# Altium PCB PMR_for_R124_v2.PcbDoc (part 1 of 3) (continued)
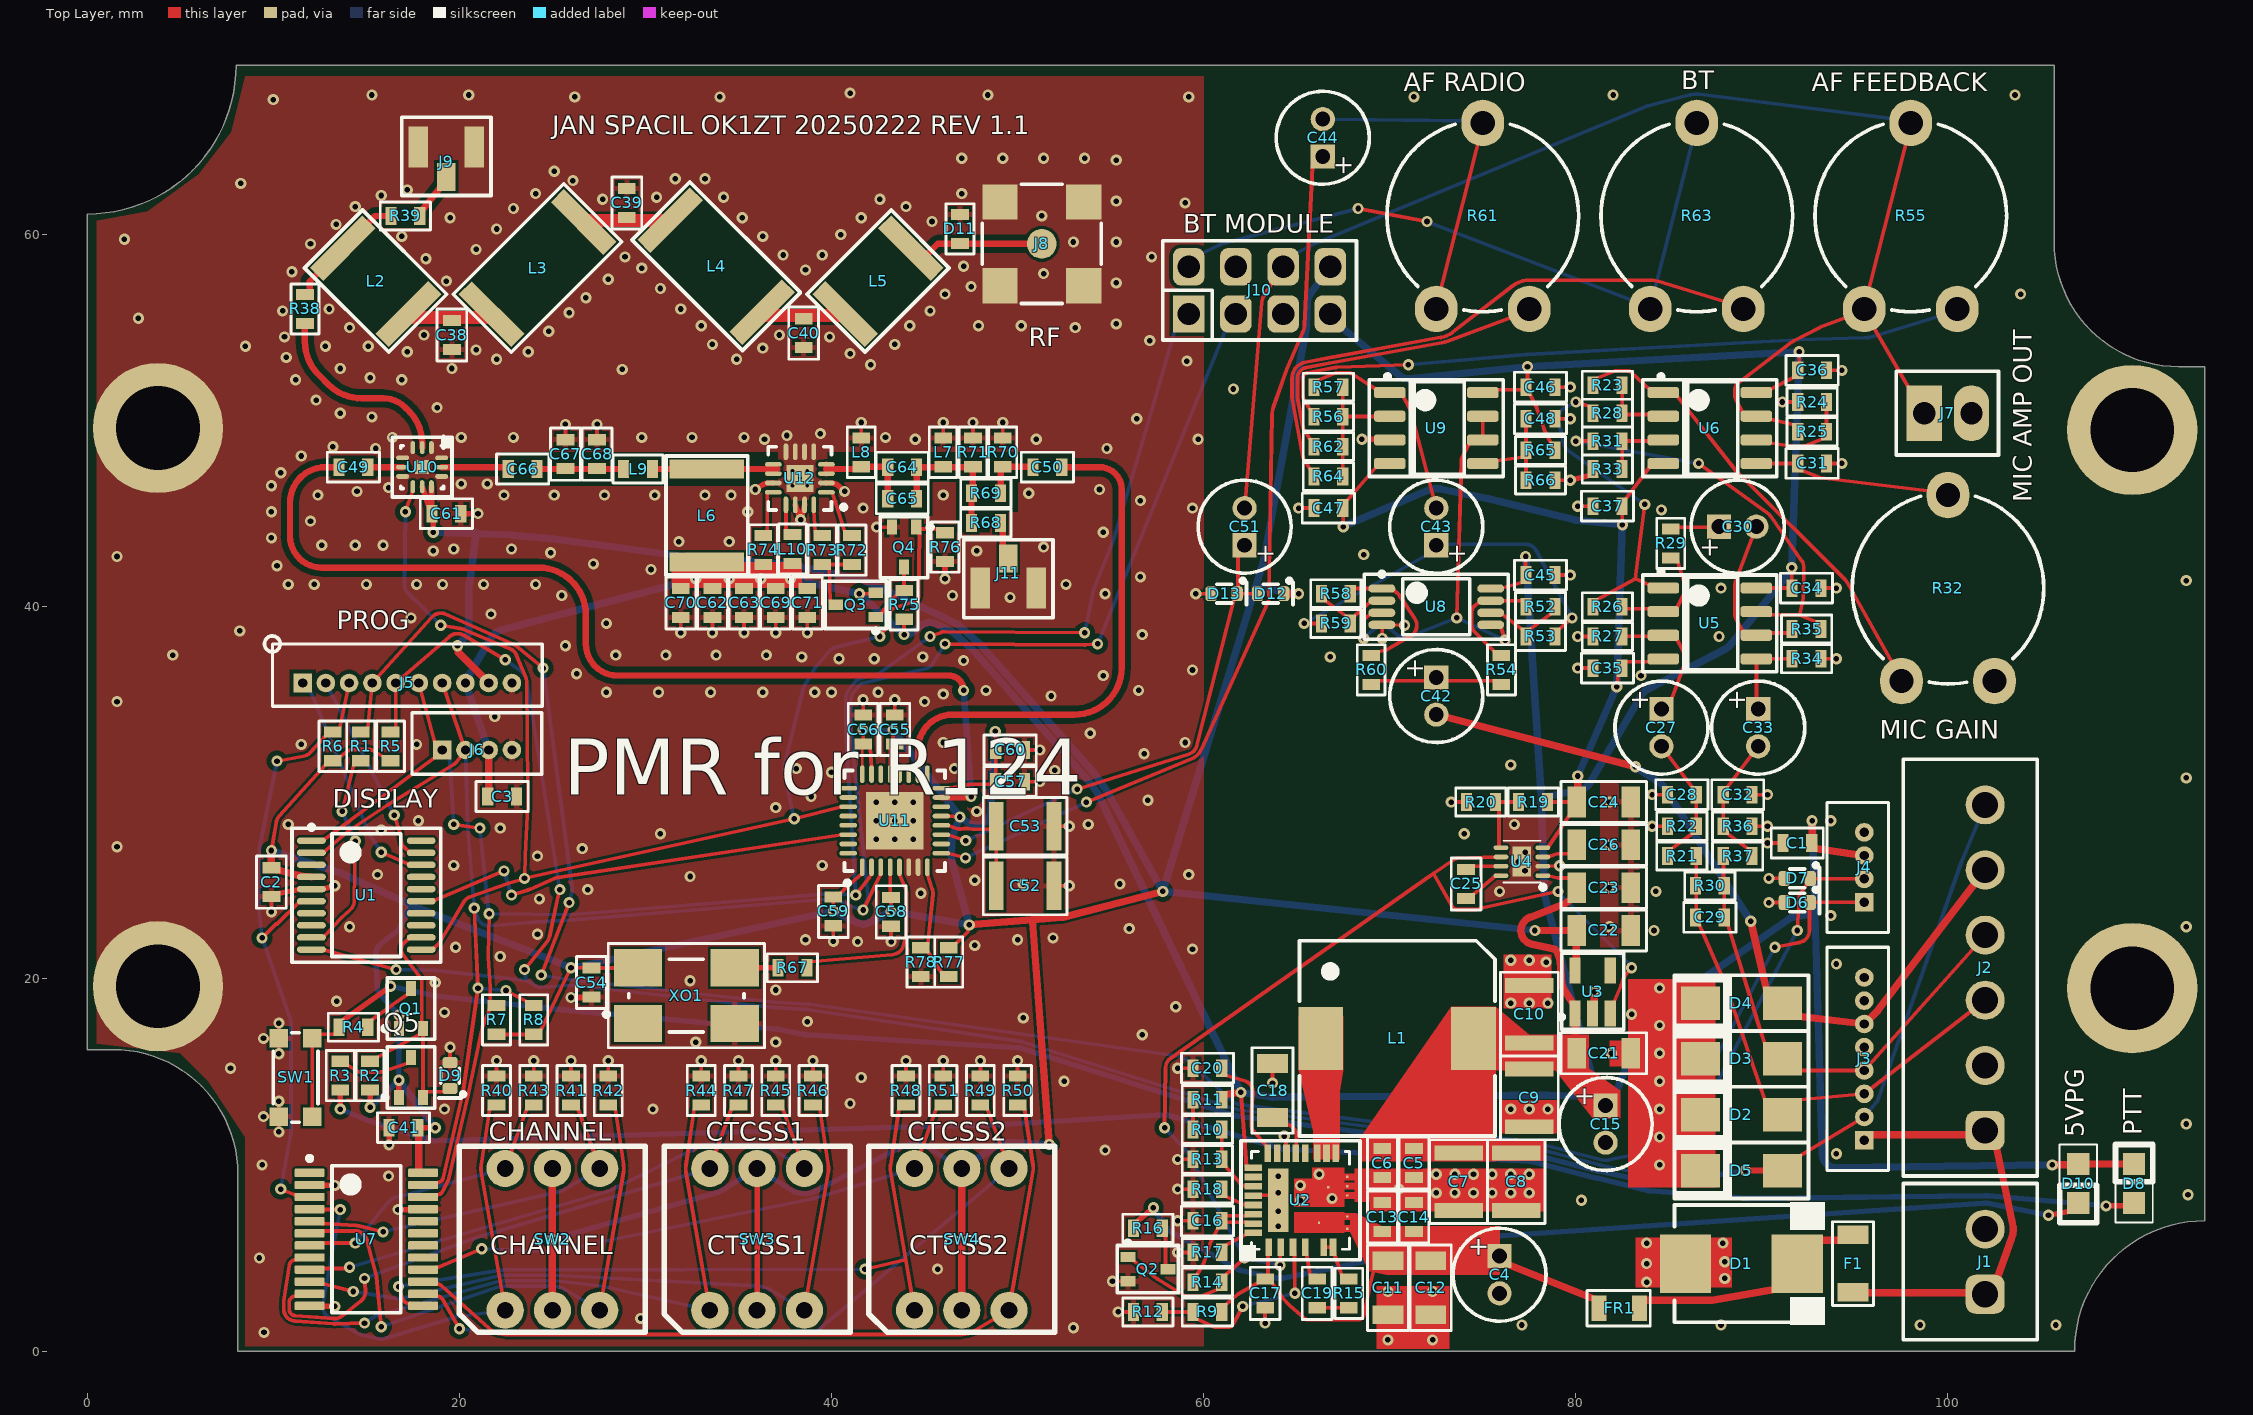
[diagram p0: Top Layer view]
## Part data (continued)
C38 C40: library part 06032U9R1BAT2A, "Cap SMD U\" Series Low ESR 0603 200V C0G (NP0) 9.1pF ±0.1pF for Comm/RF/µWave Apps Ni/Sn Plated 7\"T/R\"", Capacitance=9p1, Manufacturer="Kyocera AVX", Supplier Part Number 1=581-06032U9R1BAT2A, Category="Ceramic Capacitors", ComponentLink1Description=https://datasheet.ciiva.com/207/useries-207450.pdf?src-supplier=Digikey, ComponentLink1URL=https://datasheet.ciiva.com/207/useries-207450.pdf?src-supplier=Digikey, Manufacturer Part Number=06032U9R1BAT2A, Pricing 1="1=0.3, 10=0.201, 50=0.201, 100=0.114, 1000=0.074, 10000=0.058 (USD)", RoHS=Yes, Stock 1=4736, Supplier 1=Mouser
C39 C64 C65: library part 06032U100FAT2A, "Cap Ceramic 10pF 200V C0G 1% Pad SMD 0603 125°C Ultra Low ESR T/R", Capacitance=10p, Manufacturer="Kyocera AVX", Supplier Part Number 1=581-06032U100FAT2A, Category="Ceramic Capacitors", ComponentLink1Description=https://datasheet.ciiva.com/219/useries-219573.pdf?src-supplier=Digi-Key, ComponentLink1URL=https://datasheet.ciiva.com/219/useries-219573.pdf?src-supplier=Digi-Key, ComponentLink2Description=https://datasheet.ciiva.com/16209/useries-16209209.pdf?src-supplier=Future+Electronics, ComponentLink2URL=https://datasheet.ciiva.com/16209/useries-16209209.pdf?src-supplier=Future+Electronics, Manufacturer Part Number=06032U100FAT2A, Pricing 1="1=0.33, 10=0.227, 50=0.227, 100=0.137, 1000=0.087, 10000=0.07 (USD)", RoHS=Yes, Stock 1=12241, Supplier 1=Mouser, Supplier 2="Arrow Electronics", Supplier 3=Newark, Supplier Part Number 2=06032U100FAT2A, Supplier Part Number 3=96Y8278
C49 C50 C66: library part 885342006003, "CAP CER 100PF 250V C0G/NP0 0603", Capacitance=100p, Manufacturer="Wurth Electronics Inc.", Operating Temperature="-55°C ~ 125°C", Package / Case="0603 (1608 Metric)", Ratings=-, Supplier Part Number 1=732-12167-1-ND, Temperature Coefficient="C0G, NP0", Tolerance=±5%, Voltage - Rated=250V, Applications="General Purpose", Category=Capacitors, ComponentLink1Description=https://katalog.we-online.de/pbs/datasheet/885342006003.pdf, ComponentLink1URL=https://katalog.we-online.de/pbs/datasheet/885342006003.pdf, Failure Rate=-, Features=-, Height - Seated (Max)=-, Lead Spacing=-, Lead Style=-, Manufacturer Part Number=885342006003, Mounting Type="Surface Mount, MLCC", Notification="Current market demand for these product types have resulted in fluctuating and extending lead times. Lead times may differ.", Packaging="Cut Tape (CT)", Part Status=Active, Pricing 1="1=0.1, 10=0.043, 100=0.0385, 500=0.03406 (USD)", RoHS="RoHS Compliant", Size / Dimension="0.063\" L x 0.031\" W (1.60mm x 0.80mm)", Stock 1=43, Supplier 1=Digi-Key, Supplier 2=Farnell, Supplier 3=Mouser, Supplier Part Number 2=2812519, Supplier Part Number 3=710-885342006003, Thickness (Max)="0.034\" (0.87mm)"
C67: library part C0603C470J5GACAUTO, "CAP CER 47PF 50V C0G/NP0 0603", Capacitance=47p, Manufacturer=KEMET, Operating Temperature="-55°C ~ 125°C", Package / Case="0603 (1608 Metric)", Ratings=AEC-Q200, Supplier Part Number 1=80-C0603C470J5G, Temperature Coefficient="C0G, NP0", Tolerance=±5%, Voltage - Rated=50V, Applications=Automotive, Category=Capacitors, ComponentLink1Description=https://search.kemet.com/component-edge/download/datasheet/C0603C470J5GACAUTO.pdf, ComponentLink1URL=https://search.kemet.com/component-edge/download/datasheet/C0603C470J5GACAUTO.pdf, Failure Rate=-, Features=-, Height - Seated (Max)=-, Lead Spacing=-, Lead Style=-, Manufacturer Part Number=C0603C470J5GACAUTO, Mounting Type="Surface Mount, MLCC", Packaging="Cut Tape (CT)", Part Status=Active, Pricing 1="1=0.12, 10=0.088, 100=0.0391, 500=0.02792, 1000=0.02193 (USD)", RoHS="RoHS Compliant", Size / Dimension="0.063\" L x 0.032\" W (1.60mm x 0.80mm)", Stock 1=21519, Supplier 1=Mouser, Supplier 2=Farnell, Supplier 3=Digi-Key, Supplier 4=TME, Supplier Part Number 2=1414639, Supplier Part Number 3=399-6890-1-ND, Supplier Part Number 4=C0603C470J5GAC, Thickness (Max)="0.034\" (0.87mm)"
C68: library part 06031U120FAT2A, "Cap Ceramic 12pF 100V C0G 1% SMD 0603 125°C T/R", Capacitance=12p, Case Code (Imperial)=0603, Case Code (Metric)=1608, Dielectric=C0G, Manufacturer="Kyocera AVX", Max Operating Temperature=125°C, Min Operating Temperature=-55°C, Package Quantity=4000, Supplier Part Number 1=581-06031U120FAT2A, Tolerance=1%, Voltage Rating=100V, Case/Package=0603, Category="Ceramic Capacitors", ComponentLink1Description=https://datasheet.ciiva.com/208/useries-208490.pdf?src-supplier=Digi-Key, ComponentLink1URL=https://datasheet.ciiva.com/208/useries-208490.pdf?src-supplier=Digi-Key, Construction=Flat, Depth=0.76mm, Length=1.6mm, Manufacturer Part Number=06031U120FAT2A, Mounting Technology="Surface Mount", Packaging="Tape and Reel", Pricing 1="1=0.33, 10=0.227, 50=0.227, 100=0.137, 1000=0.087, 10000=0.07 (USD)", Radiation Hardening=No, RoHS=Yes, RoHS Compliant=Yes, Series=U, Stock 1=6418, Supplier 1=Mouser, Termination=SMD/SMT, Voltage Rating (DC)=100V, Width=0.81mm
D1: "J Series 53.3 V 3000 W Surface Mount Uni-Directional TVS Diode - DO-214AB", Manufacturer=Littelfuse, Reverse Standoff Voltage=48V, Supplier Part Number 1=576-SMDJ48A, Category="TVS Diodes", ComponentLink1Description=https://datasheet.ciiva.com/16487/littelfuse-tvs-diodes-smdj-16487926.pdf?src-supplier=Future+Electronics, ComponentLink1URL=https://datasheet.ciiva.com/16487/littelfuse-tvs-diodes-smdj-16487926.pdf?src-supplier=Future+Electronics, ComponentLink2Description=https://datasheet.ciiva.com/332/littelfuse-tvs-diode-smdj-datasheet-pdf-332813.pdf?src-supplier=Digi-Key, ComponentLink2URL=https://datasheet.ciiva.com/332/littelfuse-tvs-diode-smdj-datasheet-pdf-332813.pdf?src-supplier=Digi-Key, ComponentLink3Description=https://datasheet.ciiva.com/332/littelfuse-tvs-diode-smdj-datasheet-pdf-332814.pdf?src-supplier=Digi-Key, ComponentLink3URL=https://datasheet.ciiva.com/332/littelfuse-tvs-diode-smdj-datasheet-pdf-332814.pdf?src-supplier=Digi-Key, ComponentLink4Description=https://datasheet.ciiva.com/332/littelfuse-tvs-diode-smdj-datasheet-pdf-332815.pdf?src-supplier=Digi-Key, ComponentLink4URL=https://datasheet.ciiva.com/332/littelfuse-tvs-diode-smdj-datasheet-pdf-332815.pdf?src-supplier=Digi-Key, Manufacturer Part Number=SMDJ48A, Pricing 1="1=1.02, 10=0.889, 50=0.889, 100=0.688, 1000=0.471, 10000=0.408 (USD)", RoHS=Yes, Stock 1=11613, Supplier 1=Mouser, Supplier 2=Farnell, Supplier 3=Digi-Key, Supplier Part Number 2=2762843, Supplier Part Number 3=SMDJ48ACT-ND
D2 D3 D4 D5: "ESD Suppressors / TVS Diodes 600W 5V 5% Bi-Directional", Manufacturer=Littelfuse, Reverse Standoff Voltage=5V, Supplier Part Number 1=576-SMA6J5.0CA, Category="TVS Diodes", ComponentLink1Description=http://www.farnell.com/datasheets/2736094.pdf?src-supplier=Farnell, ComponentLink1URL=http://www.farnell.com/datasheets/2736094.pdf?src-supplier=Farnell, ComponentLink2Description=https://datasheet.octopart.com/SMA6J5.0CA-Littelfuse-datasheet-114785799.pdf?src-supplier=Future+Electronics, ComponentLink2URL=https://datasheet.octopart.com/SMA6J5.0CA-Littelfuse-datasheet-114785799.pdf?src-supplier=Future+Electronics, ComponentLink3Description=https://www.littelfuse.com/~/media/electronics/datasheets/tvs_diodes/littelfuse_tvs_diode_sma6j_datasheet.pdf.pdf?src-supplier=Digi-Key, ComponentLink3URL=https://www.littelfuse.com/~/media/electronics/datasheets/tvs_diodes/littelfuse_tvs_diode_sma6j_datasheet.pdf.pdf?src-supplier=Digi-Key, ComponentLink4Description=http://www.farnell.com/datasheets/2736094.pdf?src-supplier=Newark, ComponentLink4URL=http://www.farnell.com/datasheets/2736094.pdf?src-supplier=Newark, ComponentLink5Description=http://www.farnell.com/datasheets/2736094.pdf?src-supplier=Element14, ComponentLink5URL=http://www.farnell.com/datasheets/2736094.pdf?src-supplier=Element14, Manufacturer Part Number=SMA6J5.0CA, Pricing 1="1=0.41, 10=0.35, 50=0.35, 100=0.243, 1000=0.139, 10000=0.115 (USD)", RoHS=Yes, Stock 1=57321, Supplier 1=Mouser, Supplier 2=Farnell, Supplier 3=Digi-Key, Supplier Part Number 2=3010381, Supplier Part Number 3=18-SMA6J5.0CACT-ND
D6 D7 D9 D12 D13: library part PESD3V3S1UB,115, "TVS DIODE 3.3V 20V SOD523", Base Part Number=PESD*S1U, Capacitance @ Frequency="207pF @ 1MHz", Current - Peak Pulse (10/1000µs)="18A (8/20µs)", Manufacturer="Nexperia USA Inc.", Operating Temperature="-65°C ~ 150°C (TA)", Package / Case="SC-79, SOD-523", Power - Peak Pulse=330W, Power Line Protection=No, Supplier Device Package=SOD-523, Supplier Part Number 1=771-PESD3V3S1UB-T/R, Voltage - Breakdown (Min)=5.2V, Voltage - Clamping (Max) @ Ipp=20V, Voltage - Reverse Standoff (Typ)="3.3V (Max)", Applications="General Purpose", Category="Circuit Protection", ComponentLink1Description=https://assets.nexperia.com/documents/data-sheet/PESDXS1UB_SERIES.pdf, ComponentLink1URL=https://assets.nexperia.com/documents/data-sheet/PESDXS1UB_SERIES.pdf, Manufacturer Part Number=PESD3V3S1UB,115, Mounting Type="Surface Mount", Packaging="Cut Tape (CT)", Part Status=Active, Pricing 1="1=0.49, 10=0.368, 100=0.2082, 500=0.1379, 1000=0.10573 (USD)", RoHS="RoHS Compliant", Stock 1=0, Supplier 1=Mouser, Supplier 2=Farnell, Supplier 3=Digi-Key, Supplier 4=TME, Supplier Part Number 2=8737568, Supplier Part Number 3=1727-3829-1-ND, Supplier Part Number 4=PESD3V3S1UB.115, Type=Zener
D8: library part MCL-S270SRC, "MULTICOMP - MCL-S270SRC - LED, SMD, 0805, SUPER-RED", Current Rating=20, Forward Voltage=1.85, Forward Voltage VF Max=2.4, LED Colour=Red, Manufacturer=MULTICOMP, Operating Temperature Max=85, Operating Temperature Min=-40, Operating Temperature Range="-40°C to +85", Peak Forward Current=120, Power Dissipation Pd=100, Reverse Protection Voltage=5, Storage Temperature Max=+100, Supplier Part Number 1=1581239, Voltage Vf Min=1.5, Voltage Vf Typ="1.85V<!--FANDB--><div class=\"features-and-benefits-container\"><div class=\"features-and-benefits-description\"><span class=\"features-benefits-value\">The MCL-S270SRC is a super red SMD LED with water clear epoxy, made of GaAlAs dice.</span></div><div class=\"features-and-benefits-list\"><ul class=\"features-and-benefits-list-list\"><li class=\"features-and-benefits-list-item\">0805 Case</li><li class=\"features-and-benefits-list-item\">5V Reverse voltage</li><li class=\"features-and-benefits-list-item\">10?A at 5V Reverse current</li><li class=\"features-and-benefits-list-item\">-40 to 85", Automotive Qualification Standard=-, Bulb Size="1.25mm x 1.4", ComponentLink1Description=http://www.farnell.com/cad/53023.pdf, ComponentLink1URL=http://www.farnell.com/cad/53023.pdf, ComponentLink2Description=http://www.farnell.com/datasheets/2182724.pdf, ComponentLink2URL=http://www.farnell.com/datasheets/2182724.pdf, Dominant Wavelength=643, Dominant Wavelength Typ=643, Forward Current If=20, Forward Current If Max=20, LED / Lamp Size="1.4mm x 1.25", LED Mounting=SMD, LED Type=Standard, Lens Shape=Rectangular, Luminous Intensity=17, Luminous Intensity Max=20, Luminous Intensity Min=14, Luminous Intensity Typ=17, Manufacturer Part Number=MCL-S270SRC, MSL="MSL 3 - 168 hours", No. of Pins=2, Packaging="Cut Tape", Peak Wavelength=660, Pricing 1="5=0,154, 25=0,142, 100=0,132, 250=0,0847, 500=0,0679, 2000=0,0583, 5000=0,0521, 20000=0,0455 (GBP)", Product Range=-, RoHS=YES, Stock 1=27404, Storage Temperature Min=-40, Supplier 1=Farnell, Supplier 2=Newark, Supplier Part Number 2=14N9358, SVHC="No SVHC (17-Dec-2015)", Viewing Angle=140°, Wavelength Typ=643
D10: library part MCL-S270GC, "MULTICOMP - MCL-S270GC - LED, 0805, GREEN, 10MCD, 570NM", Current Rating=20, Forward Voltage=2.1, Forward Voltage VF Max=2.6, LED Colour=Green, Manufacturer=MULTICOMP, Operating Temperature Max=85, Operating Temperature Min=-40, Operating Temperature Range="-40°C to +85", Peak Forward Current=100, Reverse Protection Voltage=5, Storage Temperature Max=+100, Supplier Part Number 1=1581242, Voltage Vf Min=1.7, Voltage Vf Typ="2.1V<!--FANDB--><div class=\"features-and-benefits-container\"><div class=\"features-and-benefits-description\"><span class=\"features-benefits-value\">The MCL-S270GC is a green SMD LED made of GaP dice. This LED offers water clear rectangular lens and 260°C for 5 seconds lead soldering temperature range 1.6mm from body.</span></div><div class=\"features-and-benefits-list\"><ul class=\"features-and-benefits-list-list\"><li class=\"features-and-benefits-list-item\">-40 to 85", Automotive Qualification Standard=-, Bulb Size="1.25mm x 1.4", ComponentLink1Description=http://www.farnell.com/cad/53028.pdf, ComponentLink1URL=http://www.farnell.com/cad/53028.pdf, ComponentLink2Description=http://www.farnell.com/datasheets/1671537.pdf, ComponentLink2URL=http://www.farnell.com/datasheets/1671537.pdf, Dominant Wavelength=570, Dominant Wavelength Typ=570, Forward Current If=20, Forward Current If Max=20, LED / Lamp Size="1.4mm x 1.25", LED Mounting=SMD, LED Type=Standard, Lens Shape=Rectangular, Luminous Intensity=10, Luminous Intensity Max=16, Luminous Intensity Min=4.5, Luminous Intensity Typ=10, Manufacturer Part Number=MCL-S270GC, MSL="MSL 3 - 168 hours", No. of Pins=2, Packaging="Cut Tape", Peak Wavelength=568, Pricing 1="5=0,145, 25=0,136, 100=0,126, 250=0,0813, 500=0,0645, 2000=0,0559, 5000=0,0496, 20000=0,0434 (GBP)", Product Range=-, RoHS=YES, Stock 1=80989, Storage Temperature Min=-40, Supplier 1=Farnell, Supplier 2=Newark, Supplier Part Number 2=14N9356, SVHC="No SVHC (17-Dec-2015)", Viewing Angle=140°, Wavelength Typ=570
D11: "ESD Suppressor ±25KV 2-Pin Case 0603 T/R", Capacitance=0.5pF, Case/Package=0603, Clamping Voltage=25V, Leakage Current=5nA, Manufacturer=Bourns, Max Operating Temperature=85°C, Max Voltage Rating (DC)=24V, Min Operating Temperature=-40°C, Package Quantity=5000, Supplier Part Number 1=652-CG0603MLC-24LEA, Category=Varistors, ComponentLink1Description=https://datasheet.ciiva.com/29507/mlc-29507976.pdf?src-supplier=Digi-Key, ComponentLink1URL=https://datasheet.ciiva.com/29507/mlc-29507976.pdf?src-supplier=Digi-Key, Contact Plating=Tin, Depth=0.8mm, Element Configuration=Single, Length=1.6mm, Manufacturer Part Number=CG0603MLC-24LEA, Mount="Surface Mount", Number of Circuits=1, Number of Pins=2, Packaging="Tape and Reel", Pricing 1="1=0,29000, 10=0,24400, 50=0,24400, 100=0,22700, 1000=0,16000, 10000=0,10800 (USD)", Radiation Hardening=No, RoHS=Yes, Stock 1=8361, Supplier 1=Mouser, Supplier 2=Digi-Key, Supplier 3="Arrow Electronics", Supplier Part Number 2=CG0603MLC-24LEA-ND, Supplier Part Number 3=CG0603MLC-24LEA, Working Voltage=24V
F1: "FUSE BRD MNT 2A 48VAC 75VDC 1206", Case Code (Imperial)=1206, Case Code (Metric)=3216, Current Rating=2A, DC Cold Resistance=63.5mR, Manufacturer=Littelfuse, Max Operating Temperature=125°C, Min Operating Temperature=-55°C, Package Quantity=1500, Resistance=69.5mR, Supplier Part Number 1=576-0458002.DR, Voltage Rating=63V, Voltage Rating (AC)=48V, Voltage Rating (DC)=75V, Approvals=cULus, Body Material=Ceramic, Case/Package=1206, ComponentLink1Description=https://datasheet.ciiva.com/1730/337915-1730544.pdf?src-supplier=Newark, ComponentLink1URL=https://datasheet.ciiva.com/1730/337915-1730544.pdf?src-supplier=Newark, ComponentLink2Description=https://datasheet.ciiva.com/299/littelfuse-fuse-458-series-299804.pdf?src-supplier=Digi-Key, ComponentLink2URL=https://datasheet.ciiva.com/299/littelfuse-fuse-458-series-299804.pdf?src-supplier=Digi-Key, ComponentLink3Description=https://datasheet.ciiva.com/299/littelfuse-fuse-458-series-299805.pdf?src-supplier=Digi-Key, ComponentLink3URL=https://datasheet.ciiva.com/299/littelfuse-fuse-458-series-299805.pdf?src-supplier=Digi-Key, ComponentLink4Description=https://datasheet.ciiva.com/299/littelfuse-fuse-458-series-299806.pdf?src-supplier=Digi-Key, ComponentLink4URL=https://datasheet.ciiva.com/299/littelfuse-fuse-458-series-299806.pdf?src-supplier=Digi-Key, Depth=1.58mm, Fuse Current=2A, Fuse Type="Board Mount (Cartridge Style Excluded)", Height=0.062inch, Housing Material=Ceramic, Lead Free="Lead Free", Length=0.125inch, Manufacturer Part Number=0458002.DR, Mount="Surface Mount", Packaging="Tape and Reel", Pricing 1="1 = 1.31000, 10 = 0.97500, 50 = 0.97500, 100 = 0.81200, 1000 = 0.67000, 10000 = 0.50800 (USD)", Pricing 3="1 = 1.43000, 5 = 1.38400, 10 = 1.29500, 50 = 1.07180, 100 = 0.89320, 250 = 0.87088, 500 = 0.73690 (USD)", REACH SVHC="No SVHC", RoHS=Yes, Stock 1=11466, Stock 2=1620, Stock 3=14221, Supplier 1=Mouser, Supplier 2=Farnell, Supplier 3=Digi-Key, Supplier Part Number 2=1702533, Supplier Part Number 3=F2931CT-ND, Termination=SMD/SMT, Width=1.575mm, Working Voltage=63V
FR1: library part 742792023, "WURTH ELEKTRONIK - 742792023 - FERRITE BEAD, 0.03OHM, 3A, 0805", DC Current Rating=3, DC Resistance Max=0.03, Ferrite Case Style="0805 [2012 Metric]", Impedance Tolerance="± 25%", Manufacturer="WURTH ELEKTRONIK", Resistance="0.03ohm<!--FANDB--><div class=\"features-and-benefits-container\"><div class=\"features-and-benefits-description\"><span class=\"features-benefits-value\">The 742792023 is a SMD EMI Suppression Ferrite Bead with 0805 case and reliable Ni-Sn electrodes. It can be put directly on the printed circuit board. It offers excellent anti-EMI properties and low DC resistance. Placed very close next to the interference source even with smallest size 0402, maximal impedance at 1000", Supplier Part Number 1=710-742792023, Automotive Qualification Standard=-, ComponentLink1Description=http://www.farnell.com/datasheets/1695980.pdf, ComponentLink1URL=http://www.farnell.com/datasheets/1695980.pdf, ComponentLink2Description=http://www.farnell.com/cad/1670054.zip, ComponentLink2URL=http://www.farnell.com/cad/1670054.zip, Ferrite Mounting=SMD, Impedance @ 100MHz=120, Manufacturer Part Number=742792023, Packaging="Cut Tape", Pricing 1="1=0,123, 50=0,112, 100=0,103, 500=0,0937, 1000=0,0877, 2000=0,0846 (GBP)", Product Range=-, RoHS=YES, Stock 1=4283, Supplier 1=Mouser, Supplier 2=Farnell, Supplier 3=Digi-Key, Supplier Part Number 2=1635732, Supplier Part Number 3=732-1613-1-ND
J1: "WR-TBL Series 3211 - 3.50 mm Vertical PCB Header", Color=Green, Current=10A, Manufacturer="Wurth Electronics", Package Quantity=1000, Supplier Part Number=710-691321100002, Voltage=300V, Category="Terminal Blocks", ComponentLink1Description=https://datasheet.ciiva.com/8043/1442231-8043542.pdf?src-supplier=Element14, ComponentLink1URL=https://datasheet.ciiva.com/8043/1442231-8043542.pdf?src-supplier=Element14, ComponentLink2Description=https://datasheet.ciiva.com/795/6913211000xx-795780.pdf?src-supplier=Digikey, ComponentLink2URL=https://datasheet.ciiva.com/795/6913211000xx-795780.pdf?src-supplier=Digikey, ComponentLink3Description=https://datasheet.ciiva.com/48692/001088697-da-01-en-wr-tbl-terminal-block3211-691321100002-48692842.pdf?src-supplier=Conrad, ComponentLink3URL=https://datasheet.ciiva.com/48692/001088697-da-01-en-wr-tbl-terminal-block3211-691321100002-48692842.pdf?src-supplier=Conrad, Contact Material=Brass, Height=12.7mm, Lead Free=5697LeadFree, Length=7mm, Manufacturer Part Number=691321100002, Mounting Technology="Through Hole", Number of Contacts=2, Number of Levels=1, Number of Positions Per Level=2, Number of Rows=1, Orientation=Vertical, Packaging=Bulk, Pitch=0.138inch, Pricing="1=0.44, 10=0.394, 50=0.34, 100=0.305, 1000=0.269, 10000=0.268 (USD)", Reach SVHC Compliant=Unknown, RoHS=Yes, RoHS Compliant=Yes, Series="WR-TBL Series 3211", Stock=2512, Supplier=Mouser, Supplier 1=Mouser, Supplier 2=Farnell, Supplier 3=Digikey, Supplier Part Number 1=710-691321100002, Supplier Part Number 2=1841308, Supplier Part Number 3=732-2763-ND, Termination=Solder, Voltage Rating=300V, Width=8.1mm
J2: "WR-TBL Series 3211 - 3.50 mm Vertical PCB Header", Color=Green, Current=10A, Current Rating=10.5A, Manufacturer="Wurth Electronics", Package Quantity=520, Supplier Part Number=710-691321100006, Voltage=300V, Category="Terminal Blocks", ComponentLink1Description=https://datasheet.ciiva.com/8043/1442231-8043549.pdf?src-supplier=Element14, ComponentLink1URL=https://datasheet.ciiva.com/8043/1442231-8043549.pdf?src-supplier=Element14, ComponentLink2Description=https://datasheet.ciiva.com/796/6913211000xx-796060.pdf?src-supplier=Digikey, ComponentLink2URL=https://datasheet.ciiva.com/796/6913211000xx-796060.pdf?src-supplier=Digikey, ComponentLink3Description=https://datasheet.ciiva.com/48692/001088701-da-01-en-wr-tbl-terminal-block3211-691321100006-48692844.pdf?src-supplier=Conrad, ComponentLink3URL=https://datasheet.ciiva.com/48692/001088701-da-01-en-wr-tbl-terminal-block3211-691321100006-48692844.pdf?src-supplier=Conrad, Contact Gender=Male, Contact Material=Brass, Height=12.7mm, Length=7mm, Manufacturer Part Number=691321100006, Mounting Technology="Through Hole", Number of Contacts=6, Number of Levels=1, Number of Positions Per Level=6, Number of Rows=1, Orientation=Vertical, Packaging=Bulk, Pitch=0.138inch, Pricing="1=1.32, 10=1.18, 50=1.02, 100=0.914, 1000=0.805, 10000=0.804 (USD)", Reach SVHC Compliant=Unknown, RoHS=Yes, RoHS Compliant=Yes, Series="WR-TBL Series 3211", Stock=612, Supplier=Mouser, Supplier 1=Mouser, Supplier 2=Farnell, Supplier 3=Digikey, Supplier Part Number 1=710-691321100006, Supplier Part Number 2=1841313, Supplier Part Number 3=732-2767-ND, Termination=Solder, Width=25.6mm
J3: "1.25mm Pitch, PicoBlade PCB Header, Single Row, Vertical, Through Hole, Tin Plating, Friction Lock, 8 Circuits, Tray, 2.30mm PC Tail Length", Case/Package=0810, Color=Natural, Contact Resistance=20mR, Current Rating=1A, Flammability Rating="UL94 V-0", Insulation Resistance=100MR, Manufacturer=Molex, Max Operating Temperature=85°C, Min Operating Temperature=-40°C, Package Quantity=2000, Supplier Part Number 1=538-53047-0810, Voltage Rating=125V, ComponentLink1Description=https://datasheet.ciiva.com/30110/64290530470810-pcb-headers-30110449.pdf?src-supplier=Onlinecomponents.com, ComponentLink1URL=https://datasheet.ciiva.com/30110/64290530470810-pcb-headers-30110449.pdf?src-supplier=Onlinecomponents.com, ComponentLink2Description=https://datasheet.ciiva.com/5155/0530470810-pcb-headers-170988-5155236.pdf?src-supplier=Mouser, ComponentLink2URL=https://datasheet.ciiva.com/5155/0530470810-pcb-headers-170988-5155236.pdf?src-supplier=Mouser, ComponentLink3Description=https://datasheet.ciiva.com/11747/0900766b8024e2fd-11747012.pdf?src-supplier=RSComponents, ComponentLink3URL=https://datasheet.ciiva.com/11747/0900766b8024e2fd-11747012.pdf?src-supplier=RSComponents, ComponentLink4Description=https://datasheet.ciiva.com/25291/1815828-25291355.pdf?src-supplier=Newark, ComponentLink4URL=https://datasheet.ciiva.com/25291/1815828-25291355.pdf?src-supplier=Newark, ComponentLink5Description=https://datasheet.ciiva.com/34303/1932504-34303339.pdf?src-supplier=Jameco, ComponentLink5URL=https://datasheet.ciiva.com/34303/1932504-34303339.pdf?src-supplier=Jameco, ComponentLink6Description=https://datasheet.ciiva.com/16658/0530470810-pcb-headers-16658422.pdf?src-supplier=Avnet+Europe, ComponentLink6URL=https://datasheet.ciiva.com/16658/0530470810-pcb-headers-16658422.pdf?src-supplier=Avnet+Europe, ComponentLink7Description=https://datasheet.ciiva.com/17025/70266944-17025467.pdf?src-supplier=Allied+Electronics, ComponentLink7URL=https://datasheet.ciiva.com/17025/70266944-17025467.pdf?src-supplier=Allied+Electronics, ComponentLink8Description=https://datasheet.ciiva.com/14156/ge116819-116832-e-14156239.pdf?src-supplier=Distrelec, ComponentLink8URL=https://datasheet.ciiva.com/14156/ge116819-116832-e-14156239.pdf?src-supplier=Distrelec, Contact Material=Bronze, Contact Plating=Tin, Gender=Male, Glow Wire Compliant=Non-compliant, Housing Color=Natural, Housing Material=Polyamide, Lead Free="Lead Free", Manufacturer Part Number=53047-0810, Mount="Through Hole", Number of Circuits=8, Number of Contacts=8, Number of Positions=8, Number of Rows=1, Orientation=Vertical, Packaging=Tray, Pitch=1.25mm, Pricing 1="1 = 0.50000, 10 = 0.48300, 50 = 0.48300, 100 = 0.38300, 1000 = 0.29100, 10000 = 0.22600 (USD)", Pricing 2="1 = 0.24815, 10 = 0.22867, 25 = 0.21440, 50 = 0.20775, 100 = 0.20181 (USD)", Pricing 4="1 = 0.35700, 10 = 0.34100, 100 = 0.26730, 500 = 0.24440, 2000 = 0.21170, 6000 = 0.19700, 10000 = 0.18630, 1 = 0.58990, 10 = 0.54650, 100 = 0.37790, 500 = 0.32560, 2000 = 0.25820, 6000 = 0.24640, 2000 = 0.30960, 1 = 0.56010, 10 = 0.53030, 100 = 0.39670, 500 = 0.39230 (USD)", Pricing 5="1 = 0.54000, 10 = 0.50500, 100 = 0.38690, 500 = 0.33644, 2000 = 0.26915, 6000 = 0.24392, 10000 = 0.22710 (USD)", Radiation Hardening=No, REACH SVHC=Unknown, RoHS=Yes, Stock 1=13800, Stock 2=6079, Stock 3=17670, Stock 4=10054, Stock 5=16575, Supplier 1=Mouser, Supplier 2=Avnet, Supplier 3=Farnell, Supplier 4=Arrow, Supplier 5=Digi-Key, Supplier Part Number 2=0530470810, Supplier Part Number 3=1012258, Supplier Part Number 4=53047-0810, Supplier Part Number 5=WM1737-ND, Termination="Through Hole", Voltage Rating (DC)=125V
J4 J6: "1.25mm Pitch, PicoBlade PCB Header, Single Row, Vertical, Through Hole, Tin Plating, Friction Lock, 4 Circuits, Tray, 2.30mm PC Tail Length", Color=Natural, Contact Resistance=20mR, Housing Color=White, Manufacturer=Molex, Manufacturer Part Number=0530470410, Max Operating Temperature=85°C, Max Voltage Rating (AC)=125V, Min Operating Temperature=-40°C, Supplier Part Number 1=538-53047-0410, Category="Headers and Wire Housings", ComponentLink1Description=https://datasheet.ciiva.com/3934/87920530470410-pcb-headers-3934064.pdf?src-supplier=Arrow, ComponentLink1URL=https://datasheet.ciiva.com/3934/87920530470410-pcb-headers-3934064.pdf?src-supplier=Arrow, Connector Type="Blade Pin", Contact Material=Bronze, Contact Mating Length=0.089inch, Contact Plating=Tin, Depth=3.2mm, Housing Material=Nylon, Length=6.75mm, Mount="Through Hole", Number of Contacts=4, Number of Positions=4, Number of Rows=1, Orientation=Straight, Packaging=Tray, Pitch=1.25mm, Pricing 4="1=0,27000, 10=0,23400, 100=0,18000, 500=0,15400, 1000=0,13000, 5000=0,11200, 10000=0,10400 (USD)", RoHS=Yes, Stock 4=7971, Supplier 1=Mouser, Supplier 2=Farnell, Supplier 3=Digi-Key, Supplier 4=Avnet, Supplier Part Number 2=9733060, Supplier Part Number 3=WM1733-ND, Supplier Part Number 4=0530470410, Termination=Solder
J5: "1.25mm Pitch, PicoBlade PCB Header, Single Row, Vertical, Through Hole, Tin Plating, Friction Lock, 10 Circuits, Tray, 2.30mm PC Tail Length", Color=Natural, Contact Resistance=20MR, Current=1A, Flammability Rating="UL94 V-0", Housing Color=White, Insulation Resistance=100MR, Manufacturer=Molex, Max Operating Temperature=85°C, Max Voltage Rating (AC)=125V, Max Voltage Rating (DC)=125.125kV, Min Operating Temperature=-40°C, Package Quantity=2000, Supplier Part Number 1=538-53047-1010, Body Plating=Tin, Category="Headers and Wire Housings", ComponentLink1Description=https://datasheet.ciiva.com/5151/0530471010-pcb-headers-171035-5151940.pdf?src-supplier=Mouser, ComponentLink1URL=https://datasheet.ciiva.com/5151/0530471010-pcb-headers-171035-5151940.pdf?src-supplier=Mouser, ComponentLink2Description=https://datasheet.ciiva.com/30250/7280530471010-pcb-headers-30250345.pdf?src-supplier=Onlinecomponents.com, ComponentLink2URL=https://datasheet.ciiva.com/30250/7280530471010-pcb-headers-30250345.pdf?src-supplier=Onlinecomponents.com, ComponentLink3Description=https://datasheet.ciiva.com/11747/0900766b8024e2fd-11747087.pdf?src-supplier=RSComponents, ComponentLink3URL=https://datasheet.ciiva.com/11747/0900766b8024e2fd-11747087.pdf?src-supplier=RSComponents, ComponentLink4Description=https://datasheet.ciiva.com/19461/2033252-19461670.pdf?src-supplier=Jameco, ComponentLink4URL=https://datasheet.ciiva.com/19461/2033252-19461670.pdf?src-supplier=Jameco, ComponentLink5Description=https://datasheet.ciiva.com/10083/0530471010-pcb-headers-10083962.pdf?src-supplier=Avnet, ComponentLink5URL=https://datasheet.ciiva.com/10083/0530471010-pcb-headers-10083962.pdf?src-supplier=Avnet, ComponentLink6Description=https://datasheet.ciiva.com/20207/22-3930e-20207531.pdf?src-supplier=Rapid+Electronics, ComponentLink6URL=https://datasheet.ciiva.com/20207/22-3930e-20207531.pdf?src-supplier=Rapid+Electronics, ComponentLink7Description=https://datasheet.ciiva.com/3934/87920530470410-pcb-headers-3934064.pdf?src-supplier=Arrow, ComponentLink7URL=https://datasheet.ciiva.com/3934/87920530470410-pcb-headers-3934064.pdf?src-supplier=Arrow, Connector Type="Blade Pin", Contact Gender=Male, Contact Material=Bronze, Contact Mating Length=0.089inch, Contact Plating=Tin, Current Rating=1A, Depth=3.2mm, Glow Wire Compliant=Non-compliant, Height=4.2mm, Housing Material=Nylon, Lead Free="Lead Free", Lead Pitch=1.25mm, Length=14.25mm, Manufacturer Part Number=53047-1010, Max Current Rating=1A, Mount="Through Hole", Number of Circuits=10, Number of Contacts=10, Number of Poles=10, Number of Positions=10, Number of Rows=1, Orientation=Vertical, Packaging=Tray, Pitch=1.25mm, Plating=Tin, Pricing 1="1 = 0.50000, 10 = 0.48800, 50 = 0.48800, 100 = 0.37400, 1000 = 0.26800, 10000 = 0.21600 (USD)", Pricing 2="1 = 0.41890, 10 = 0.39900, 100 = 0.30530, 500 = 0.27600, 1000 = 0.24010, 8000 = 0.20770, 1 = 0.56870, 10 = 0.52970, 100 = 0.36620, 500 = 0.31550, 1000 = 0.26830, 100 = 0.37250 (USD)", Pricing 3="1 = 0.52000, 10 = 0.48900, 100 = 0.37470, 500 = 0.32580, 1000 = 0.26879, 8000 = 0.21992, 16000 = 0.21666 (USD)", Pricing 5="1=0,27000, 10=0,23400, 100=0,18000, 500=0,15400, 1000=0,13000, 5000=0,11200, 10000=0,10400 (USD)", Radiation Hardening=No, REACH SVHC=Unknown, RoHS=Yes, Stock 1=9729, Stock 2=19420, Stock 3=4931, Stock 4=12753, Stock 5=7971, Supplier 1=Mouser, Supplier 2=Arrow, Supplier 3=Digi-Key, Supplier 4=Farnell, Supplier 5=Mouser, Supplier Part Number 2=53047-1010, Supplier Part Number 3=WM1739-ND, Supplier Part Number 4=9733086, Supplier Part Number 5=538-53047-0410, Termination=Solder, Voltage=125V, Voltage Rating=125V, Voltage Rating (AC)=125V, Voltage Rating (DC)=125V, Working Voltage=125V
J7: "CONN HEADER 2 POS 2.54", Current Rating=3A, Insulation Color=Black, Manufacturer="Wurth Electronics Inc.", Material Flammability Rating="UL94 V-0", Operating Temperature="-40°C ~ 125°C", Supplier Part Number 1=710-61300211121, Voltage Rating=250V, Applications=-, Category="Connectors, Interconnects", ComponentLink1Description=https://katalog.we-online.de/em/datasheet/6130xx11121.pdf, ComponentLink1URL=https://katalog.we-online.de/em/datasheet/6130xx11121.pdf, Connector Type=Header, Contact Finish - Mating=Gold, Contact Finish - Post=-, Contact Finish Thickness - Mating=-, Contact Finish Thickness - Post=-, Contact Length - Mating="0.236\" (6.00mm)", Contact Length - Post="0.118\" (3.00mm)", Contact Material="Copper Alloy", Contact Shape=Square, Contact Type="Male Pin", Fastening Type=Push-Pull, Features=-, Ingress Protection=-, Insulation Height="0.100\" (2.54mm)", Insulation Material="Polybutylene Terephthalate (PBT)", Manufacturer Part Number=61300211121, Mated Stacking Heights=-, Mounting Type="Through Hole", Number of Positions=2, Number of Positions Loaded=All, Number of Rows=1, Overall Contact Length="0.454\" (11.54mm)", Packaging=Bulk, Part Status=Active, Pitch - Mating="0.100\" (2.54mm)", Pricing 1="1=0.13, 10=0.106, 25=0.088, 50=0.074, 100=0.067, 1000=0.061 (USD)", RoHS="RoHS Compliant", Row Spacing - Mating=-, Shrouding=Unshrouded, Stock 1=164911, Style="Board to Board or Cable", Supplier 1=Mouser, Supplier 2=Farnell, Supplier 3=Digi-Key, Supplier Part Number 2=2356153, Supplier Part Number 3=732-5315-ND, Termination=Solder
J8: library part 73415-1691, "MOLEX - 73415-1691 - RF COAXIAL, MCX, STRAIGHT JACK, 50OHM", Dielectric Material="Polytetrafluoroethylene (PTFE)", Frequency Max=6, Housing Color=Gold, Manufacturer=MOLEX, Operating Temperature="-55°C ~ 155°C", Supplier Part Number 1=538-73415-1691, Body Finish=Gold, Body Material=Brass, Cable Group=-, Category="Connectors, Interconnects", Center Contact Material="Beryllium Copper", Center Contact Plating=Gold, Coaxial Cable Types=-, Coaxial Termination="Surface Mount Vertical", ComponentLink1Description=http://www.farnell.com/cad/1518410.pdf, ComponentLink1URL=http://www.farnell.com/cad/1518410.pdf, ComponentLink2Description=http://www.farnell.com/datasheets/2133682.pdf, ComponentLink2URL=http://www.farnell.com/datasheets/2133682.pdf, ComponentLink3Description=https://www.molex.com/pdm_docs/sd/733660061_sd.pdf, ComponentLink3URL=https://www.molex.com/pdm_docs/sd/733660061_sd.pdf, Connector Body Style="Straight Jack", Connector Mounting="PCB Mount", Connector Style=MCX, Connector Type="MCX Coaxial", Contact Material="Beryllium Copper", Contact Plating="Gold Plated Contacts", Contact Termination=Solder, Fastening Type=Snap-On, Features=-, Impedance=50, Includes=-, Ingress Protection=-, Insertion Loss=-, Manufacturer Part Number=73415-1691, Mating Cycles=500, Mounting Feature=-, Mounting Type="Through Hole", Packaging=Tray, Part Status=Active, Pricing 1="1=1.65, 10=1.4, 50=1.25, 100=1.13, 250=1.06, 500=0.995 (GBP)", Pricing 4="1=1.95, 10=1.765, 25=1.6572, 50=1.5854, 100=1.5133, 250=1.36916, 500=1.26106, 1000=1.0809, 2500=1.00884 (USD)", Product Range=-, RoHS=YES, Shield Termination=Solder, Stock 1=733, Stock 4=39394, Supplier 1=Mouser, Supplier 2=Farnell, Supplier 3=Digi-Key, Supplier 4=Digi-Key, Supplier Part Number 2=1909246, Supplier Part Number 3=WM5559-ND, Supplier Part Number 4=WM5541-ND, Termination Method="Surface Mount<!--FANDB--><div class=\"features-and-benefits-container\"><div class=\"features-and-benefits-description\"><span class=\"features-benefits-value\">The 73415-1691 is a vertical surface-mount MCX Straight Jack Receptacle made of gold-plated brass body with gold-plated beryllium copper centre contact and a Teflon insulator.</span></div><div class=\"features-and-benefits-applications\"><ul class=\"features-and-benefits-value\"><li class=\"features-and-benefits-list-item\">RF Communications</li><li class=\"features-and-benefits-list-item\">Industrial</li></ul></div></div>"
J9 J11: library part CONUFL001-SMD-T, "CONN UMC JACK STR SMD", Dielectric Material=-, Manufacturer="Linx Technologies Inc.", Supplier Part Number 1=CONUFL001-SMD-TCT-ND, Body Finish=-, Body Material=-, Cable Group=-, Category="Connectors, Interconnects", Center Contact Material=-, Center Contact Plating=-, ComponentLink1Description=http://media.digikey.com/pdf/Data%20Sheets/Linx%20Technologies%20PDFs/CONUFL001-SMD_T_Dwg_RevB_5-15-17.pdf, ComponentLink1URL=http://media.digikey.com/pdf/Data%20Sheets/Linx%20Technologies%20PDFs/CONUFL001-SMD_T_Dwg_RevB_5-15-17.pdf, Connector Style="Ultra Miniature Coaxial", Connector Type="Jack, Male Pin", Contact Termination=-, Fastening Type=Snap-On, Features=-, Housing Color=-, Impedance=-, Includes=-, Ingress Protection=-, Insertion Loss=-, Manufacturer Part Number=CONUFL001-SMD-T, Mating Cycles=-, Mounting Feature=-, Mounting Type="Surface Mount", Operating Temperature=-, Packaging="Cut Tape (CT)", Part Status=Active, Pricing 1="1=0.97, 25=0.882, 100=0.826, 1000=0.742, 2500=0.63 (USD)", RoHS="RoHS Compliant", Shield Termination=-, Stock 1=6423, Supplier 1=Digi-Key, Supplier 2=Mouser, Supplier Part Number 2=712-CONUFL001-SMD-T
J10: "CONN HEADER DUAL 8 POS 2.54", Color=Black, Manufacturer="Wurth Electronics", Supplier Part Number 1=710-61300821121, Category=Connectors, ComponentLink1Description=https://datasheet.ciiva.com/28505/1442180-28505510.pdf?src-supplier=Element14, ComponentLink1URL=https://datasheet.ciiva.com/28505/1442180-28505510.pdf?src-supplier=Element14, Connector Type="Male Pin", Contact Material=Copper, Contact Mating Length=0.236inch, Contact Plating=Gold, Gender=Male, Lead Free="Lead Free", Manufacturer Part Number=61300821121, Mount="Through Hole", Number of Contacts=8, Number of Positions=8, Number of Rows=2, Packaging=Bulk, Pitch=0.1inch, Pricing 1="1=0,66000, 10=0,55700, 50=0,38700, 100=0,35200, 1000=0,32000, 10000=0,32000 (USD)", REACH SVHC=Unknown, RoHS=Yes, Row Spacing=0.1inch, Stock 1=1828, Supplier 1=Mouser, Supplier 2=Farnell, Supplier 3=Digi-Key, Supplier Part Number 2=2356133, Supplier Part Number 3=732-5296-ND, Termination=Solder
L1: library part CMP-0227-00046-2, Ambient Temperature Range High=110°C, Ambient Temperature Range Low=-40°C, Case/Package=1064, Current Rating=9.4A, DC Resistance (DCR)=8.4mΩ, Inductance=6.2µH, Inductance Tolerance=30%, Max DC Current=7A, Max Operating Temperature=150°C, Saturation Current=6.7A, Self Resonant Frequency=33MHz, Test Frequency=100kHz, Composition=Wirewound, Core Material="Composite, Ferrite, Metal", Depth=10.2mm, Height=6.1mm, Height - Seated (Max)=6.4008mm, Lead Pitch=5.8mm, Length=10.2mm, Min Operating Temperature=-40°C, Mount="Surface Mount", NexarPartId=14415868, Number of Pins=2, Packaging="Tape & Reel (TR)", REACH SVHC="No SVHC", RMS Current (Irms)=9.4A, RoHS=Compliant, Shielding=Shielded, Termination=SMD/SMT, Tolerance=30%, Width=10.2mm
L2 L5 L6: library part Air-Inductor_20nH
L3 L4: library part Air-Inductor_40nH
L7 L8: library part 0603HP-12NXGLU, "Fixed Inductors 0603HP Hi Perfrmnce 12 nH 2 % 1.1 A", Case Code (Imperial)=0603, Case Code (Metric)=1608, Current Rating=1.1A, DC Resistance (DCR)=88mR, Inductance=12n, Inductance Tolerance=2%, Manufacturer=Coilcraft, Max Operating Temperature=125°C, Min Operating Temperature=-40°C, Self Resonant Frequency=4.1GHz, Supplier Part Number 1=994-0603HP-12NXGLU, Test Frequency=250MHz, Case/Package=0603, ComponentLink1Description=https://datasheet.ciiva.com/13167/0603hp-13167775.pdf?src-supplier=Mouser, ComponentLink1URL=https://datasheet.ciiva.com/13167/0603hp-13167775.pdf?src-supplier=Mouser, ComponentLink2Description=https://datasheet.ciiva.com/22680/1681881-22680847.pdf?src-supplier=Element14, ComponentLink2URL=https://datasheet.ciiva.com/22680/1681881-22680847.pdf?src-supplier=Element14, Core Material=Ceramic, Height=0.94mm, Lead Free="Contains Lead", Length=1.75mm, Manufacturer Part Number=0603HP-12NXGLU, Max DC Current=1.1A, Mount="Surface Mount", Packaging="Cut Tape", Pricing 1="1=1.18000, 10=1.18000, 50=1.18000, 100=1.18000, 200=0.89000, 500=0.66000, 1000=0.44000, 2000=0.40500 (USD)", Q Factor=91, REACH SVHC="No SVHC", RoHS=Yes, Stock 1=1052, Supplier 1=Mouser, Supplier 2=Farnell, Supplier Part Number 2=2286146, Termination=SMD/SMT, Tolerance=2%, Width=1.09mm
L9: library part 0603HP-4N7XGLU, "Fixed Inductors 0603HP Hi Perfrmnce 4.7 nH 2 % 1.1 A", Case Code (Imperial)=0603, Case Code (Metric)=1608, Current Rating=1.1A, DC Resistance (DCR)=100mR, Inductance=4n7, Inductance Tolerance=2%, Manufacturer=Coilcraft, Max Operating Temperature=125°C, Min Operating Temperature=-40°C, Self Resonant Frequency=7.9GHz, Supplier Part Number 1=994-0603HP-4N7XGLU, Test Frequency=250MHz, Case/Package=0603, ComponentLink1Description=https://datasheet.ciiva.com/22680/1681881-22680887.pdf?src-supplier=Element14, ComponentLink1URL=https://datasheet.ciiva.com/22680/1681881-22680887.pdf?src-supplier=Element14, Core Material=Ceramic, Height=0.94mm, Lead Free="Contains Lead", Length=1.75mm, Manufacturer Part Number=0603HP-4N7XGLU, Max DC Current=1.1A, Mount="Surface Mount", Packaging="Cut Tape", Pricing 1="1=1.50000, 10=1.40000, 50=1.22000, 100=1.12000, 200=1.06000, 500=0.74800, 1000=0.47800, 2000=0.40500 (USD)", Q Factor=75, REACH SVHC="No SVHC", RoHS=Yes, Stock 1=884, Supplier 1=Mouser, Supplier 2=Farnell, Supplier Part Number 2=2286132, Termination=SMD/SMT, Tolerance=2%, Width=1.09mm